# Altium PCB rt10.PcbDoc (part 3 of 4) (continued)
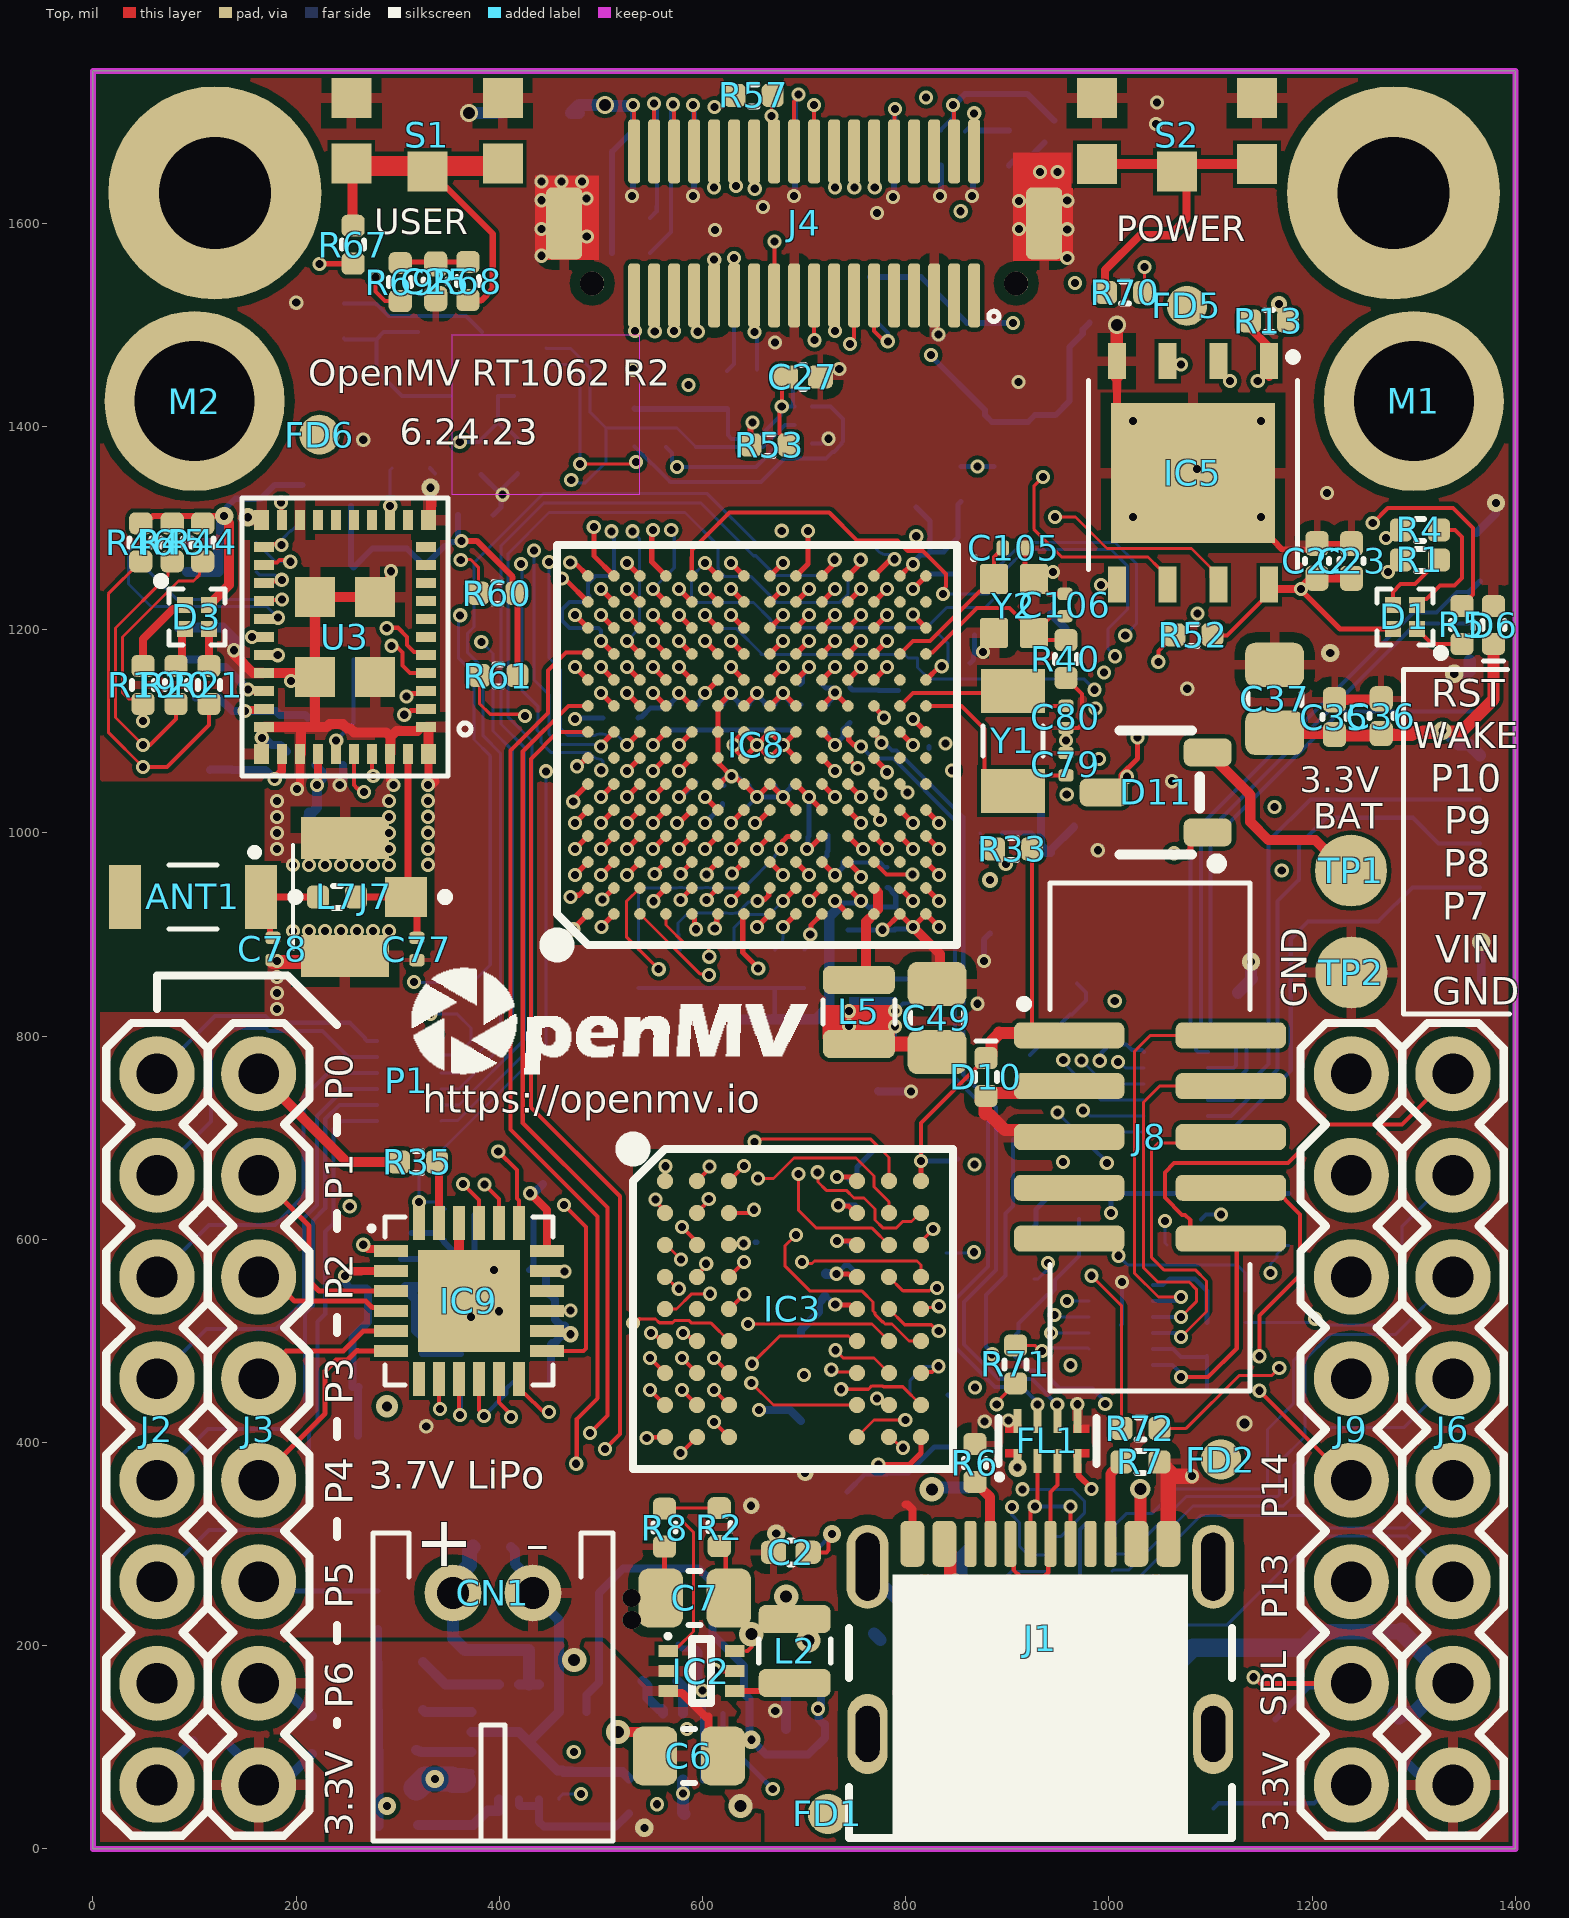
[diagram p0: Top view]
## Nets (pads, with @x,y where several pads share a name; then routed paths per layer and width w, separated by ;. In a path a pad name is that pad's centre, name@x,y a point inside that pad or via, vN(x,y) a via of type N, cw(c..) or ccw(c..) an arc to the next point about the centre after c; other vN are vias at no path point) (continued)
P13: J9.3 R56.2 | length 424.5
  L4 w3: v1(1203,522) 1212,513 1275,513 1290,498 1290,314.22 J9.3@1238.51,262.72
  Bottom w3: R56.2@1133.7,518 1199,518 v1(1203,522)
P14: J9.4 R55.2 | length 127.1
  Top w4: v1(1148,451) 1236.28,362.72 J9.4@1238.51,362.72
P_FLASH_CE: IC5.1 IC8.L3 R13.2 | length 828
  Top w5: IC8.L3@743.11,971.45 755.9,958.65 v1(755.9,956.61)
  Top w8: R13.2@1131.89,1503.94 1157.68,1478.15 IC5.1@1157.68,1464.34 IC5.1@1157.68,1448.82
  L4 w3: v1(755.9,956.61) 755.9,954.37 766.28,944 800.33,944 801.9,945.57 812.57,945.57 819,952 819,978.49 819.58,979.07 819.58,987.89 820.17,988.48 820.17,989.43 827.79,997.05 839.05,997.05 892,1050 892,1133 968,1209 968,1261 981,1274 1039,1274 1117,1352 1117,1415.51 v1(1146.42,1444.93)
P_FLASH_IO0: IC5.5 IC8.P3 | length 393.7
  Top w5: IC8.P3@819.88,971.45 v1(832.67,958.66)
  Top w6: v1(992.13,1244.09) 1007.44,1244.09 IC5.5@1007.68,1244.34
  L4 w3: v1(832.67,958.66) 847.07,958.66 906,1017.59 906,1122 992.13,1208.13 v1(992.13,1244.09)
P_FLASH_IO1: IC5.2 IC8.N4 | length 703.7
  Top w5: IC8.N4@794.29,997.04 v1(807.08,984.25)
  L4 w3: v1(807.08,984.25) 809.18,986.36 809.18,992.03 819.88,1002.73 819.88,1016.78 869.09,1065.99 869.09,1132.53 913,1176.44 913,1305.72 949.8,1342.52 949.8,1438.98 955.71,1444.88 v1(1119.09,1444.88)
P_FLASH_IO2: IC5.3 IC8.P4 | length 776.9
  Top w5: IC8.P4@819.88,997.04 v1(832.67,984.25)
  L4 w3: v1(832.67,984.25) 855.25,984.25 899,1028 899,1124.9 977,1202.9 977,1254.45 982.55,1260 1044,1260 1167,1383 1167,1458 1163.79,1461.21 v1(1070.98,1461.21)
P_FLASH_IO3: IC5.7 IC8.P5 | length 560.4
  Top w3: v1(946.73,1310.94) 967.06,1310.94 998.06,1279.94 1081.29,1279.94 1100.32,1260.9 1100.32,1251.7 IC5.7@1107.68,1244.34
  Top w5: IC8.P5@819.88,1022.63 v1(832.67,1009.84)
  L4 w3: v1(832.67,1009.84) 880,1057.17 880,1131.67 926,1177.67 926,1267 946.73,1287.73 v1(946.73,1310.94)
P_FLASH_SCK: IC5.6 IC8.L4 | length 720
  Top w3: v1(935.04,1350.39) 926,1341.35 926,1299 953.37,1271.63 1038.41,1271.63 1049.49,1260.55 1050.32,1260.55 1057.68,1253.19 IC5.6@1057.68,1244.34
  Top w5: IC8.L4@743.11,997.04 755.9,984.25 v1(757.95,984.25)
  L4 w3: v1(757.95,984.25) 757.95,982.2 768.5,971.65 775.16,971.65 775.27,971.75 786.67,971.75 793.99,979.07 793.99,1014.43 802.2,1022.64 813.67,1022.64 827,1035.97 827,1066 825,1068 825,1102 906,1183 906,1324 932.39,1350.39 v1(935.04,1350.39)
PGOOD: IC8.P2 R4.1 R43.1 U2.7 | length 2493.3
  Top w5: IC8.P2@819.88,945.86 v1(832.67,933.07)
  L4 w3: v1(473.28,95.5) 574.5,95.5 613,57 613,40 628.22,24.78 837.78,24.78 v1@848.44,35.44 ; v1(849,36) 858,45 1140,45 1165,70 1165,453 1149,469 1140,469 1134.14,474.86 1134.14,538.14 1141,545 1162,545 1174.86,557.86 1174.86,955.74 1170,960.61 1170,991 1178.81,999.81 1178.81,1200.81 1266.25,1288.25 1270.53,1288.25 v1(1272.64,1290.35)
  L6 w3: v1(832.67,933.07) 1045.28,933.07 1075.2,963 v1(1170,963)
  Bottom w3: R43.1@845,96.3 849,92.3 v1(849,36)
PMIC_ON_REQ: IC8.K7 Q1.2 | length 1086.6
  Top w5: IC8.K7@717.52,1073.81 v1(730.31,1061.02)
  L4 w3: v1(990.16,1072.83) 1011.33,1094 1011.33,1099.27 1034,1121.94 1034,1177 1041,1184 1057,1184 1063.91,1177.09 1063.91,1085.09 1080.71,1068.29 1080.71,633.43 1065.37,618.09 v1(1055.06,618.09)
  L6 w3: v1(730.31,1061.02) 742.33,1049 758,1049 767,1058 767,1066 774,1073 812.9,1073 841.9,1044 862,1044 870,1052 969.32,1052 v1(990.16,1072.83)
  Bottom w3: v1(1055.06,618.09) 1055.06,596.52 Q1.2@1057.09,594.49
PMIC_ONOFF: D8.1 J3.3 Q3.3 R23.1 | length 1334.4
  L4 w3: v1(867.04,587.34) v1@864.92,585.21 ; v1(867.5,673.75) 867.5,587.79 v1@864.92,585.21 ; v1(868.22,454.16) 848,474.38 848,505 868.28,525.28 868.28,582.25 865.32,585.21 v1@864.92,585.21
  L6 w3: J3.3@162.99,262.99 226.38,326.38 226.38,353.35 271.65,398.62 442.62,398.62 481,437 620,437 644,413 758,413 791,380 807,380 821,394 821,406.94 v1(868.22,454.16) ; v1(867.5,673.75) 869.61,675.86 874.03,675.86 874.35,676.18 v1(954.72,676.18)
  Bottom w3: Q3.3@839.56,586.61 866.32,586.61 v1(867.04,587.34)
  Bottom w5: J3.3@162.99,262.99 172.05,253.93 D8.1@280.51,253.93
PMIC_STBY_REQ: IC8.L7 R69.2 | length 1416.6
  Top w4: v1(278,1547) 278,1533 287.33,1523.67 302.26,1523.67 R69.2@302.41,1523.52 ; IC8.L7@743.11,1073.81 743.11,1073.46 v1(752.76,1063.8)
  L4 w3: v1(752.76,1063.8) 743.4,1073.17 743.4,1098.78 823,1178.38 823,1274.47 820.47,1277 812.33,1277 809.76,1279.56 796.26,1279.56 793.95,1281.87 789.56,1281.87 776,1295.44 776,1327.56 785.44,1337 786,1337 879,1430 879,1587 v1(854,1612)
  L6 w3: v1(278,1547) 278,1557.79 286,1565.79 286,1626 322.97,1662.97 781.8,1662.97 821.83,1622.94 ccw(c833.66,1626.97) 829.63,1615.13 831.88,1612.89 ; 831.9,1612.87 832.77,1612 v1(854,1612)
POWER_BUTTON: R70.1 S2.2 S2.3 S2.4 | length 329.6
  Top w8: R70.1@997.3,1532 996,1533.3 996,1554 1030.38,1588.38 1059.78,1588.38 1076.4,1605 1076.4,1645.43 S2.3@1071,1650.83
  Top w10: S2.4@992.26,1658.35 S2.2@1149.74,1658.35
PWM_FSIN: IC8.M5 R28.2 R53.2 R54.2 | length 1714.8
  Top w5: IC8.M5@768.7,1022.63 768.7,1020.89 774.49,1015.1 v1(774.49,1012.71)
  Top w6: R53.2@647.3,1382 647.3,1401.22 649,1402.92 v1(649,1404)
  L4 w3: v1(421.26,1264.76) 421.26,1337.6 427.06,1343.39 427.06,1343.45 465.6,1382 465.66,1382 524.61,1440.94 v1@585.63,1440.94
  L6 w3: v1(500.22,1061.75) 502.21,1061.75 508.65,1068.18 508.65,1069.67 512.5,1073.52 531.49,1073.52 538.68,1066.33 538.68,1052.32 543.07,1047.93 615.83,1047.93 621.76,1042 634,1042 637,1045 637,1046.02 638.9,1047.92 658.73,1047.92 666.05,1040.6 666.05,1030.83 667,1029.88 667,1015.37 666.05,1014.42 666.05,1004.65 665.64,1004.24 665.64,1001.76 670.07,997.33 682.11,997.33 682.98,996.49 cw(c680.9,994.33) 683.05,996.42 683.87,995.57 683.87,995.03 684.75,994.15 684.86,994.03 cw(c677.09,984.25) 689.24,981.33 689.24,981 689.24,979.76 690.12,978.88 697.84,971.16 735.49,971.16 735.65,971 764.04,971 769.5,965.54 769.5,953.5 777,946 797,946 797.43,945.57 842.57,945.57 849,952 849,990 841.67,997.33 800.73,997.33 788.41,1009.65 780.54,1009.65 777.47,1012.71 v1(774.49,1012.71) ; v1(586,1441) 586,1430 612,1404 v1(649,1404) 649,1414.75 676.25,1442 796.33,1442 v1(824.8,1470.47)
  Bottom w3: v1@422.46,1264.96 422.46,1140.13 437.83,1124.77 437.83,1109.99 437,1109.16 437,1101 441,1097 441,1089 450.66,1079.34 487.98,1079.34 488.7,1078.91 cw(c487.15,1076.34) 489.62,1078.03 ccw(c500,1085) 500,1072.5 501.76,1070.74 501.76,1063.29 v1(500.22,1061.75)
  Bottom w6: v1@824.31,1469.98 878,1416.29 878,1411.37 884.85,1404.53 920.29,1404.53 927.18,1411.42 947.42,1411.42 961,1425 961,1478.28 974.14,1491.42 974.14,1495.44 R54.2@981,1502.3
RAW: C1.2 C6.1 C10.2 D5.1 IC2.3 J3.2 R3.2 R22.2 R23.2 U1.1 U1.3 U2.5 U2.10 U2.11 | length 1818.4
  Top w8: IC2.3@566.06,155.26 567.97,153.36 579.56,153.36 602.74,130.17 605.83,130.17 605.83,112.67 620.08,98.43 629.19,107.54 v2(648,107.54)
  Top w15: J3.2@162.99,162.99 J3.2@163.68,162.3 ; C6.1@609.78,88.13 C6.1@620.08,98.43
  L4 w3: v1@713.24,137.63 699.35,151.52 631.84,151.52 621.06,140.75 592.52,140.75 579.72,153.54 579.72,175.08 588,183.36 588,251 688,351 792,351 857,416 857,424 894,461 894,478.02 v1(885.02,486.99)
  Bottom w4: v1(885.02,486.99) 885.02,488.25 878.94,494.34 878.94,545.18 898.26,564.5 898.26,625.62 905.51,632.88 905.51,698.21 R22.2@906.3,699
  Bottom w8: U2.11@419.29,48.82 419.29,43.41 420.41,42.29 437.85,42.29 438.97,43.41 U2.10@438.97,48.82 439.04,48.75 439.04,26.62 443.66,22 514.52,22 C10.2@527.56,35.04 ; U2.5@485.63,134.85 485.63,151.63 498,164 498,252.09 521.91,276 596,276 609.76,262.24 609.76,211.29 640.92,180.13 640.92,153 646.27,147.65 646.27,109.27 v2(648,107.54) 662.54,93 704,93 720.4,109.4 C1.2@720.4,123 ; v1@714.49,137.95 713.95,137.41 713.95,128.18 C1.2@719.13,123 ; v1@716.63,137.95 U1.1@716.63,166.25
  Bottom w10: J3.2@162.99,162.99 175.24,150.74 195.71,150.74 209.13,137.32 209.13,137.01 215.24,130.9 D5.1@215.55,130.9
  other v1: 713.57,137.95
  other v2: 542.66,20.82
REXT: IC9.9 R38.1 | length 59.9
  Top w4: IC9.9@360.24,462.6 360.24,427.16 v1@361.22,426.18
  Bottom w4: v1(361.22,427.17) 362.2,428.15 R38.1@362.2,449.8
RTC_XTALI: C80.1 IC8.N9 Y1.2 | length 175.5
  Top w4: IC8.N9@794.29,1125 807.09,1137.8 903.55,1137.8 Y1.2@905.51,1139.76 920.1,1125.17 C80.1@957.68,1125.17
RTC_XTALO: C79.1 IC8.P9 Y1.1 | length 183.3
  Top w4: IC8.P9@819.88,1125 854.95,1125 877.45,1102.51 Y1.1@877.45,1044.61 ; Y1.1@905.51,1041.34 920.91,1056.74 C79.1@957.68,1056.74
SBL: D13.1 J9.2 R57.2 | length 2375.4
  Top w3: v1(611.59,1714.52) 620.12,1714.52 R57.2@631.6,1726 ; J9.2@1232.6,168.97 J9.2@1238.58,162.99
  Top w5: v1(1142.26,168.97) 1143.71,168.97 1149.69,162.99 J9.2@1238.58,162.99
  L4 w3: v1(820,1724) 891,1653 891,1588 899.41,1579.59 987.59,1579.59 994,1586 1153,1586 1200,1539 1200,1328 1112,1240 1112,656.9 1132.18,636.72 1132.18,608.18 1119,595 1119,329 1132,316 1132,179.24 v1(1142.26,168.97) ; J9.2@1238.41,162.82 J9.2@1238.51,162.72
  L6 w3: v1(611.59,1714.52) 613.48,1714.52 620.97,1722 671,1722 689,1704 721,1704 746,1729 814.74,1729
  Bottom w6: D13.1@1164,127.7 1196.09,159.8 1235.39,159.8 J9.2@1238.58,162.99
SD_CD: D9.1 IC8.L11 J5.CD$1 R52.1 | length 850.6
  Top w4: v1(1048.59,1168.48) 1048.59,1179.29 R52.1@1064.3,1195
  Top w5: IC8.L11@743.11,1176.18 v1(755.9,1188.97)
  L4 w4: v1(1005.62,834.57) 1017.73,834.57 1048.59,865.43 v1(1048.59,1168.48)
  L6 w3: v1(755.9,1188.97) 768.69,1176.18 809.09,1176.18 839.73,1206.81 1038.56,1206.81 1048.59,1196.78 v1(1048.59,1168.48)
  Bottom w4: D9.1@922.24,781.66 961.76,821.18 963.61,821.18 977.36,834.93 977.36,842.8 J5.CD$1@968.5,851.65
SD_CLK: FL3.4 IC8.J3 | length 482.5
  Top w5: IC8.J3@691.93,971.45 v1(704.72,958.66)
  L6 w3: v1(704.72,958.66) 706.39,956.99 713.31,956.99 724.73,945.57 735.5,945.57 742.82,938.25 742.82,928.18 750.72,920.28 887.57,920.28 983.82,824.03 983.82,786.81 v1(972.96,776.01) v1(972.96,776.01)
  Bottom w3: v1(972.96,776.01) 996.13,752.87 FL3.4@1034.5,752.87
SD_CLK_INT: FL3.9 J5.P$5 | length 612.7
  Bottom w4: FL3.9@1097.5,752.87 1121.15,752.87 1135.14,766.86 1135.14,797.86 1124,809 1104,809 1100,813 1100,991.67 1228.09,1119.76 J5.P$5@1365.16,1119.76
SD_CMD: FL3.3 IC8.J4 R49.1 | length 757
  Top w5: v1(677.09,984.25) 678.81,985.97 678.81,991.98 683.56,996.73 691.62,996.73 IC8.J4@691.93,997.04
  L6 w3: v1(677.09,984.25) 677.09,981.27 681.04,977.32 681.04,975.89 691.94,964.99 691.94,958.01 692.22,957.73 692.22,953.48 699.54,946.16 710.84,946.16 717.82,939.18 717.82,927.48 741,904.3 741,898 747.17,891.83 899.17,891.83 954.97,836.03 v1(954.97,776.62)
  Bottom w3: R49.1@537,884.7 537,944.24 537.88,945.12 538.76,946 574.91,946 cw(c578.41,934) 581.91,946 600.5,946 cw(c604,934) 607.5,946 640.89,946 670.68,975.79 670.68,976.99 677.09,983.4 v1(677.09,984.25) ; v1(954.97,776.62) 954.97,774.03 991.87,737.13 FL3.3@1034.5,737.13
SD_CMD_INT: FL3.10 J5.P$3 | length 518.9
  Bottom w4: FL3.10@1097.5,737.13 1121.66,737.13 1157,772.47 1157,992 1198.15,1033.15 J5.P$3@1365.16,1033.15
SD_DAT0: FL3.5 IC8.J1 R47.1 | length 697
  Top w5: v1(679.14,907.48) IC8.J1@691.93,920.27
  L6 w3: v1(679.14,907.48) 679.14,735.86 758,657 963,657 971.28,665.28 971.28,676 1008.92,713.64 v1(1008.92,774.58)
  Bottom w3: R47.1@671,884.7 678.43,892.14 678.43,895.08 679.14,895.78 v1(679.14,907.48) ; v1(1008.92,774.58) 1010.21,774.58 1016.18,768.62 FL3.5@1034.5,768.62
SD_DAT0_INT: FL3.8 J5.P$7 | length 642.4
  Bottom w4: FL3.8@1097.5,768.62 1122.76,768.62 1125.19,771.05 1125.19,794.81 1121,799 1098,799 1090.47,806.53 1090.47,994.47 1302.38,1206.38 J5.P$7@1365.16,1206.38
SD_DAT1: FL3.6 IC8.K1 R48.1 | length 632.4
  Top w5: v1(706,900) 706.88,900.88 706.88,909.63 IC8.K1@717.52,920.27
  L6 w3: v1(706,900) 706,897.02 710.25,892.77 710.25,890.43 704.73,884.91 704.73,762.27 774,693 963.67,693 990.86,720.19 990.86,775.63 v1(990.96,775.72)
  Bottom w3: R48.1@700,884.7 706.45,891.15 705.2,892.4 705.2,899.2 v1(706,900) 704.73,901.27 704.73,907.48
  Bottom w4: v1(990.96,775.72) 992.87,777.64 992.87,783.86 1001,792 1017,792 1022.7,786.3 1032.57,786.3 FL3.6@1034.5,784.37
SD_DAT1_INT: FL3.7 J5.P$8 | length 614.7
  Bottom w4: FL3.7@1097.5,784.37 1087.65,784.37 1085.72,786.3 1085.72,790.66 1080.23,796.15 1080.23,997.55 1235.91,1153.23 1299.78,1217.1 1322.4,1217.1 1342.48,1237.19 J5.P$8@1354.63,1237.19
  Bottom w6: J5.P$8@1354.63,1237.19 J5.P$8@1365.16,1247.72
SD_DAT2: FL3.1 IC8.H2 R51.1 | length 625.3
  Top w5: v1(654.02,933.07) 655.75,934.79 661.41,934.79 665.11,938.49 665.11,944.63 IC8.H2@666.34,945.86
  L6 w3: v1(654.02,933.07) 667.11,919.98 687.49,919.98 694.83,912.65 707.63,912.65 cw(c708.5,900.18) 707.98,912.67 cw(c708.1,909.67) 708.1,912.67 708.96,912.67 cw(c708.5,900.18) 709.37,912.65 710.21,911.81 cw(c708.1,909.67) 710.27,911.75 cw(c706,900) 717.75,904.27 721,901.02 721,877 756,842 820.36,842 937.41,724.95 v1(949.21,724.95)
  Bottom w3: R51.1@578,884.7 577,885.7 577,899.84 575.78,901.05 575.78,911.41 585.65,921.28 623.81,921.28 ccw(c627.95,933.07) 632.09,921.28 634.28,921.28 644.92,931.92 652.87,931.92 v1(654.02,933.07) ; v1(949.21,724.95) 968.53,705.63 FL3.1@1034.5,705.63
SD_DAT2_INT: FL3.12 J5.P$1 | length 443.5
  Bottom w4: FL3.12@1097.5,705.63 1118.45,705.63 1178.91,766.09 1178.91,895.91 1196,913 1265,913 1298.54,946.54 J5.P$1@1365.16,946.54
SD_DAT3: FL3.2 IC8.J2 R50.1 | length 549.5
  Top w5: v1(679.14,933.07) IC8.J2@691.93,945.86
  L6 w3: v1(679.14,933.07) 680.31,933.07 686.4,926.98 693.14,926.98 699.55,920.57 709.92,920.57 710.82,919.67 711.85,919.67 ; 711.88,919.65 712.27,919.65 713.13,918.79 714.24,917.67 cw(c706,900) 723.67,908.24 728,903.91 728,902.49 731,899.49 731,893 769.31,854.69 830.35,854.69 831.23,853.81 860.13,824.91 860.3,824.74 ccw(c870.52,831.94) 863.32,821.72 863.49,821.55 895.89,789.15 912.11,789.15 v1(974.32,726.95)
  Bottom w3: R50.1@622.27,886.97 623.77,886.97 630.86,894.06 630.86,906.86 643.86,919.86 651.79,919.86 cw(c653.55,907.48) 655.32,919.86 665.93,919.86 v1(679.14,933.07) ; v1(974.32,726.95) 976.01,726.95 981.57,721.38 FL3.2@1034.5,721.38
SD_DAT3_INT: FL3.11 J5.P$2 | length 516.7
  Bottom w4: FL3.11@1097.5,721.38 1120.06,721.38 1165.84,767.16 1165.84,932.84 1187,954 1187,988 1214,1015 1299.33,1015 1324.49,989.84 J5.P$2@1365.16,989.84
SDRAM_A0: IC3.H7 IC8.C2 | length 656.6
  Top w3: IC8.C2@538.38,945.86 525,932.48 525,897.74 v1(556.75,865.99) ; v1(647.99,458.71) 669.7,437.01 IC3.H7@751.97,437.01
  L4 w3: v1(556.75,865.99) 556.75,794.25 620.37,730.63 620.37,628.9 627.91,621.36 627.91,541.37 630,539.28 630,476.71 v1(647.99,458.71)
SDRAM_A1: IC3.H8 IC8.G1 | length 546.5
  Top w5: IC8.G1@640.74,920.27 639.51,919.04 639.51,882.28 654.7,867.09 v1(654.7,866.57)
  L4 w3: v1(654.7,866.57) 655.18,866.08 655.18,856.82 789,723 789,460.61 v1(771.75,443.36)
SDRAM_A2: IC3.J8 IC8.G3 | length 684.3
  Top w3: IC3.J8@783.47,405.52 785.08,405.52 795.72,394.88 v1(797.33,394.88)
  Top w5: v1@627.95,958.66 IC8.G3@640.74,971.45
  L3 w3: v1(629,960) 650,960 666.64,943.36 666.64,886.36 669,884 669,747 785,631 785,407.21 v1(797.33,394.88)
  L4 w3: v1@796.75,395.47 v1(797.33,394.88)
SDRAM_A3: IC3.J7 IC8.H1 | length 618.3
  Top w3: IC3.J7@751.97,405.52 768.7,422.25 v1(799.58,422.25)
  Top w5: v1(653.55,907.48) IC8.H1@666.34,920.27
  L4 w3: v1(653.55,907.48) 653.55,894.45 676,872 676,852 799.58,728.42 v1(799.58,422.25)
SDRAM_A4: IC3.J3 IC8.A6 | length 784.4
  Top w4: v1(611.22,420.28) IC3.J3@625.99,405.52
  Top w5: v1(472.65,1030.84) 474.37,1032.56 474.37,1035.39 IC8.A6@487.2,1048.22
  L4 w3: v1(472.65,1030.84) 461.91,1020.1 461.91,1007.24 429,974.33 429,884.4 455,858.4 455,769.4 497.96,726.45 497.96,494.24 520,472.2 520,450.1 549.82,420.28 v1(611.22,420.28)
SDRAM_A5: IC3.J2 IC8.B6 | length 840.8
  Top w4: v1(578.36,389.8) 578.76,389.8 IC3.J2@594.49,405.52
  Top w5: v1(500,1035.43) IC8.B6@512.79,1048.22
  L4 w3: v1(500,1035.43) 499.85,1035.43 493.04,1042.25 479.74,1042.25 478.64,1043.34 467.31,1043.34 422,998.03 422,881.5 447,856.5 447,767.5 471.53,742.97 490.96,723.55 490.96,431.04 532.2,389.8 v1(578.36,389.8)
SDRAM_A6: IC3.H3 IC8.B1 | length 552
  Top w4: v1(611.22,451.77) IC3.H3@625.99,437.01
  Top w5: v1(500.5,907.34) 500.5,907.98 IC8.B1@512.79,920.27
  L4 w3: v1(500.5,907.34) 500.5,904.36 503.78,901.08 503.78,788 541,750.78 541,552.87 568.74,525.13 588.67,525.13 596.99,516.81 596.99,466 v1(611.22,451.77)
SDRAM_A7: IC3.H2 IC8.A5 | length 718.2
  Top w4: v1(579.72,451.77) IC3.H2@594.49,437.01
  Top w5: v1(474.41,1009.84) IC8.A5@487.2,1022.63
  L4 w3: v1(474.41,1009.84) 436,971.43 436,887.3 462,861.3 462,772.3 504.96,729.34 504.96,497.14 532,470.1 532,448 537,443 547,433 560.95,433 v1(579.72,451.77)
SDRAM_A8: IC3.H1 IC8.A4 | length 630.2
  Top w4: v1(548.23,451.77) IC3.H1@563,437.01
  Top w5: v1(474.41,984.25) IC8.A4@487.2,997.04
  L4 w3: v1(474.41,984.25) 474.41,981.27 471,977.86 471,976.9 443,948.9 443,890.2 469,864.2 469,775.2 511.96,732.24 511.96,500.04 548.23,463.77 v1(548.23,451.77) v1@546.06,451.77
SDRAM_A9: IC3.G3 IC8.B2 | length 557
  Top w4: v1(611.22,483.27) IC3.G3@625.99,468.51
  Top w5: v1(501.32,934.63) 501.56,934.63 IC8.B2@512.79,945.86
  L4 w3: v1(501.32,934.63) 502.36,934.63 513,923.98 513,796.88 576.33,733.56 576.33,629.69 563.29,616.65 563.29,589.31 563.99,588.61 563.99,539.78 571.64,532.13 591.57,532.13 611.22,512.48 v1(611.22,483.27)
SDRAM_A10: IC3.H9 IC8.G2 | length 680.5
  Top w3: v1(736.39,452.5) 763.21,452.5 766.58,455.86 776.93,455.86 777.86,454.94 797.03,454.94 IC3.H9@814.96,437.01
  Top w5: v1(627.95,933.07) IC8.G2@640.74,945.86
  L4 w3: v1(627.95,933.07) 627.95,930.09 631.07,926.97 631.07,925.93 640,917 640,860 781,719 781,476.29 757.21,452.5 v1(736.39,452.5)
SDRAM_A11: IC3.G2 IC8.B4 | length 627
  Top w4: v1(579.72,483.27) IC3.G2@594.49,468.51
  Top w5: v1(500,984.25) IC8.B4@512.79,997.04
  L3 w3: v1(500,984.25) 498.01,984.25 485.51,971.75 461.75,971.75 453,963 453,894 489,858 489,651 522,618 522,553.42 565,510.42 565,497.99 v1(579.72,483.27)
SDRAM_A12: IC3.G1 IC8.A3 | length 572
  Top w4: v1(548.23,483.27) IC3.G1@563,468.51
  Top w5: v1(474.41,958.66) IC8.A3@487.2,971.45
  L4 w3: v1(474.41,958.66) 462.66,958.66 450,946 450,893.1 476,867.1 476,778.1 519,735.1 519,512.5 v1(548.23,483.27)
SDRAM_BA0: IC3.G7 IC8.C1 | length 562.3
  Top w3: IC8.C1@538.38,920.27 597.23,861.42 605.26,861.42 v1(606.38,860.3) ; v1(726.72,471.76) 729.69,471.76 732.07,469.38 751.1,469.38 IC3.G7@751.97,468.51
  L4 w3: v1(606.38,860.3) 605.7,859.62 605.7,847.3 674,779 674,655.72 717.22,612.5 717.22,547.22 712.47,542.47 712.47,486 v1(726.72,471.76)
SDRAM_BA1: IC3.G8 IC8.F1 | length 586.9
  Top w3: v1(730.8,490.93) 738.45,483.27 768.71,483.27 772.69,479.29 IC3.G8@783.47,468.51
  Top w5: v1@615.15,905 613.72,906.43 613.72,910.16 613.92,910.36 613.92,919.04 IC8.F1@615.15,920.27
  L4 w3: v1(612,906) 621,897 621,850 681.46,789.54 681.46,659.61 720.01,621.06 747.05,621.06 752.95,615.16 752.95,496.06 747.82,490.93 v1(730.8,490.93)
SDRAM_CAS: IC3.F7 IC8.D3 | length 660.3
  Top w3: v1(648.51,477.57) 675.86,504.92 743.64,504.92 748.56,500 IC3.F7@751.97,500
  Top w5: v1@555.29,962.77 IC8.D3@563.97,971.45
  L4 w3: v1(552.82,959.59) 564,948.41 564,938.19 565.91,936.28 565.91,925.59 571,920.5 571,792 627.37,735.63 627.37,632.63 660,600 660,489.06 v1(648.51,477.57)
SDRAM_CKE: IC3.F3 IC8.A2 | length 584.4
  Top w3: 538.11,521.69 553.62,521.69 557.38,517.93 570.41,517.93 572.85,520.37 586.43,520.37 589.23,517.57 608.41,517.57 IC3.F3@625.99,500
  Top w4: v1(531.55,517.84) 534.25,517.84 538.11,521.69
  Top w5: v1@472.02,937 473.74,938.72 478.32,938.72 485.46,945.86 IC8.A2@487.2,945.86
  L4 w3: v1@471.57,942.35 460.49,931.27 460.49,892.51 484,869 484,780 526,738 526,525.09 531.55,519.55 v1(531.55,517.84)
  other v1: 470,937
SDRAM_CLK: IC3.F2 IC8.B3 | length 533.8
  Top w4: v1(580.71,507.87) 582.24,506.34 584.86,506.34 591.2,500 IC3.F2@594.49,500
  Top w5: v1(500,958.66) IC8.B3@512.79,971.45
  L4 w3: v1(500,958.66) 485.75,944.41 485.75,904.41 494,896.16 494,786 533,747 533,550.97 573.27,510.7 573.42,510.7 574.14,509.98 578.6,509.98 v1(580.71,507.87)
SDRAM_CS: IC3.G9 IC8.E1 R18.2 | length 868.2
  Top w4: IC3.G9@814.96,468.51 816.1,469.64 825.73,469.64 831.18,475.09 v1(832.07,475.09)
  Top w5: IC8.E1@589.56,920.27 590.79,919.04 590.79,917.01 591.95,915.85 591.95,906.86 v1(593.56,905.24)
  L4 w3: v1(593.56,905.24) 594,904.8 594,891 594.02,876.18 593.88,876.03 593.88,849.22 667,776.1 667,646.98 678,635.98 678,424 742,360 784,360 832.07,408.07 v1(832.07,475.09)
  Bottom w3: R18.2@804.3,447 804.3,461.3 818.09,475.09 v1(832.07,475.09)
SDRAM_DQ0: IC3.A8 IC8.E3 | length 486.6
  Top w3: v1(651.08,696.01) 653.18,698.11 657.44,698.11 658.33,699 765,699 783.47,680.53 IC3.A8@783.47,657.48
  Top w5: v1@580.88,962.77 IC8.E3@589.56,971.45
  L4 w3: 583.47,953.56 583.47,958.84 584.55,959.92 584.55,945.54 590.91,939.18 590.91,922.91 585,917 585,914.36 581.06,910.42 581.06,900.06 584,897.13 584,848 655.33,776.67 655.33,703.24 651.08,698.98 v1(651.08,696.01)
  other v1: 578.41,959.59
SDRAM_DQ1: IC3.B9 IC8.F3 | length 508.5
  Top w3: v1(713,666) 713.67,665.33 713.67,656.41 721.76,648.32 741.45,648.32 749.02,640.75 758.86,640.75 769.68,629.92 769.68,619.09 777.78,611 790.28,611 796.96,617.68 805.67,617.68 813.98,625.99 IC3.B9@814.96,625.99
  Top w5: v1@603.3,959.05 603.3,959.6 IC8.F3@615.15,971.45
  L3 w3: v1@603.3,959.05 603.3,958.29 615.59,946 633,946 641,938 641,762 713,690 v1(713,666)
  other v1: 604,959
SDRAM_DQ2: IC3.B8 IC8.F4 | length 571.3
  Top w3: v1(654.5,659.87) 669.71,659.87 689.96,680.12 750.98,680.12 768.7,662.4 768.7,651.78 783.47,637.01 IC3.B8@783.47,625.99
  Top w5: v1(602.36,984.25) IC8.F4@615.15,997.04
  L6 w3: v1(602.36,984.25) 591,972.89 591,923 581.06,913.06 581.06,900.06 588.38,892.74 616.26,892.74 621.22,887.78 621.22,711.01 638.86,693.38 ccw(c651.08,696.01) 648.45,683.79 654.5,677.73 v1(654.5,659.87)
SDRAM_DQ3: IC3.C9 IC8.G4 | length 593.1
  Top w3: IC3.C9@814.96,594.49 814.96,598.05 819.03,602.12 819.03,602.19 v1(826.94,610.1)
  Top w5: v1(627.95,984.25) IC8.G4@640.74,997.04
  L4 w3: v1(627.95,984.25) 616.5,972.8 616.5,954.72 624.14,947.07 635.02,947.07 641.05,941.04 641.05,927.89 648.37,920.57 658.14,920.57 666.46,912.25 666.46,893.54 700,860 823,860 832,851 832,617.36 826.94,612.3 v1(826.94,610.1)
SDRAM_DQ4: IC3.C8 IC8.F2 | length 462
  Top w3: v1(694.39,664.35) 694.59,664.16 694.59,628.52 712.1,611 766.96,611 IC3.C8@783.47,594.49
  Top w5: v1@605.51,933.83 606.47,934.79 606.47,937.18 IC8.F2@615.15,945.86
  L4 w3: v1(604,934) 629,909 629,857 694.39,791.61 v1(694.39,664.35)
SDRAM_DQ5: IC3.D9 IC8.G5 | length 617
  Top w3: v1(697.94,577.75) 699.38,576.31 707.68,576.31 710.11,578.74 811.02,578.74 814.96,574.8 IC3.D9@814.96,563
  Top w5: v1(627.95,1009.84) IC8.G5@640.74,1022.63
  L6 w3: v1(627.95,1009.84) 640.97,996.82 640.97,963.6 cw(c629,960) 640.97,956.4 640.97,743 677,706.97 677,656.66 704.72,628.94 704.72,584.74 697.94,577.96 v1(697.94,577.75)
SDRAM_DQ6: IC3.D8 IC8.H5 | length 698
  Top w3: IC3.D8@783.47,563 797.04,549.43 820.58,549.43 823.4,549.43 824.04,550.07 828.56,550.07 v1(830.66,552.18)
  Top w5: v1(651.49,1009.84) 653.55,1009.84 IC8.H5@666.34,1022.63
  L4 w3: v1(651.49,1009.84) 650.03,1009.84 640.75,1000.55 640.75,970.47 658.63,952.59 658.63,949.79 666.52,941.89 666.52,928.01 673.96,920.57 683.73,920.57 692.09,912.21 692.09,886.19 710.29,868 827,868 840.54,854.46 840.54,562.07 v1(830.66,552.18)
SDRAM_DQ7: IC3.E9 IC8.H4 | length 643.9
  Top w3: IC3.E9@814.96,531.5 816.35,532.89 831.13,532.89 v1(832.51,534.27)
  Top w5: v1(653.55,984.24) IC8.H4@666.34,997.04
  L4 w3: v1(653.55,984.24) 666.64,971.15 666.64,953.36 674.21,945.79 685.76,945.79 692,939.55 692,928.12 703.12,917 725,917 732,910 732,889.1 744.1,877 830.1,877 847.54,859.56 847.54,548.26 833.55,534.27 v1(832.51,534.27)
SDRAM_DQ8: IC3.E1 IC8.C6 | length 689.5
  Top w3: IC3.E1@563,531.5 574.41,531.5 589.35,546.44 v1(607.38,546.44)
  Top w5: v1(525.59,1035.43) IC8.C6@538.38,1048.22
  L3 w3: v1(525.59,1035.43) 512.5,1022.34 512.5,978.5 505.16,971.16 494.82,971.16 487.5,963.84 487.5,954.07 485.75,952.32 485.75,892.25 502,876 502,651.17 531,622.17 531,557 566.16,521.84 582.78,521.84 v1(607.38,546.44)
SDRAM_DQ9: IC3.D2 IC8.C5 | length 514.5
  Top w4: IC3.D2@594.49,563 594.48,564.98 603.5,574 v1(603.5,575.99)
  Top w5: v1(525.59,1009.84) IC8.C5@538.38,1022.63
  L4 w3: v1(525.59,1009.84) 513.09,997.34 513.09,953.48 520,946.57 520,799.78 583.33,736.46 583.33,630.96 607.36,606.93 607.36,582.82 603.5,578.97 v1(603.5,575.99)
SDRAM_DQ10: IC3.D1 IC8.D5 | length 563.5
  Top w3: IC3.D1@563,563 564,563 575.62,551.38 v1(576.61,551.38)
  Top w5: v1(551.18,1009.84) IC8.D5@563.97,1022.63
  L4 w3: v1(551.18,1009.84) 538.68,997.34 538.68,979.07 539,978.75 539,799 593.51,744.49 593.51,634.58 619.4,608.68 619.4,573.4 607,561 591,561 583.49,553.49 578.72,553.49 v1(576.61,551.38)
SDRAM_DQ11: IC3.C2 IC8.C4 | length 449.1
  Top w4: v1(579.72,612.2) 594.48,597.45 IC3.C2@594.49,594.49
  Top w5: v1(525.59,984.25) IC8.C4@538.38,997.04
  L4 w3: v1(579.72,612.2) v1@579.72,612.54
  L6 w3: v1(525.59,984.25) 513,971.66 513,949 521,941 521,728.1 534,715.1 534,683.69 558.22,659.46 561.54,659.46 579.72,641.28 v1(579.72,612.2)
SDRAM_DQ12: IC3.C1 IC8.D4 | length 497.2
  Top w3: IC3.C1@563,594.49 564.46,594.49 v1(578.78,580.17)
  Top w5: v1(551.18,984.25) IC8.D4@563.97,997.04
  L3 w3: v1(551.18,984.25) 539,972.07 531.09,972.07 530.18,971.16 520.41,971.16 513.09,963.84 513.09,941.57 518,936.66 518,645.07 538,625.07 538,620.95 v1(578.78,580.17)
SDRAM_DQ13: IC3.B2 IC8.E5 | length 472.1
  Top w4: IC3.B2@594.49,625.99 594.48,626.29 604.86,636.67 604.86,638.61 v1(606.01,639.75)
  Top w5: v1(574.72,1009.84) 576.76,1009.84 IC8.E5@589.56,1022.63
  L6 w3: v1(574.72,1009.84) 574.72,1007.79 563.98,997.05 544.05,997.05 538.09,991.09 538.09,952.09 528,942 528,731 590,669 590,655.76 v1(606.01,639.75)
SDRAM_DQ14: IC3.B1 IC8.C3 | length 366.2
  Top w4: v1(553.64,639.23) 553.64,637.29 562.99,627.94 IC3.B1@563,625.99
  Top w5: v1(525.59,958.66) IC8.C3@538.38,971.45
  L3 w3: v1(525.59,958.66) 533,951.25 533,659.87 v1(553.64,639.23)